# Altium PCB AUV4.5-2 Lights Control Board.PcbDoc (part 1 of 2) (continued)
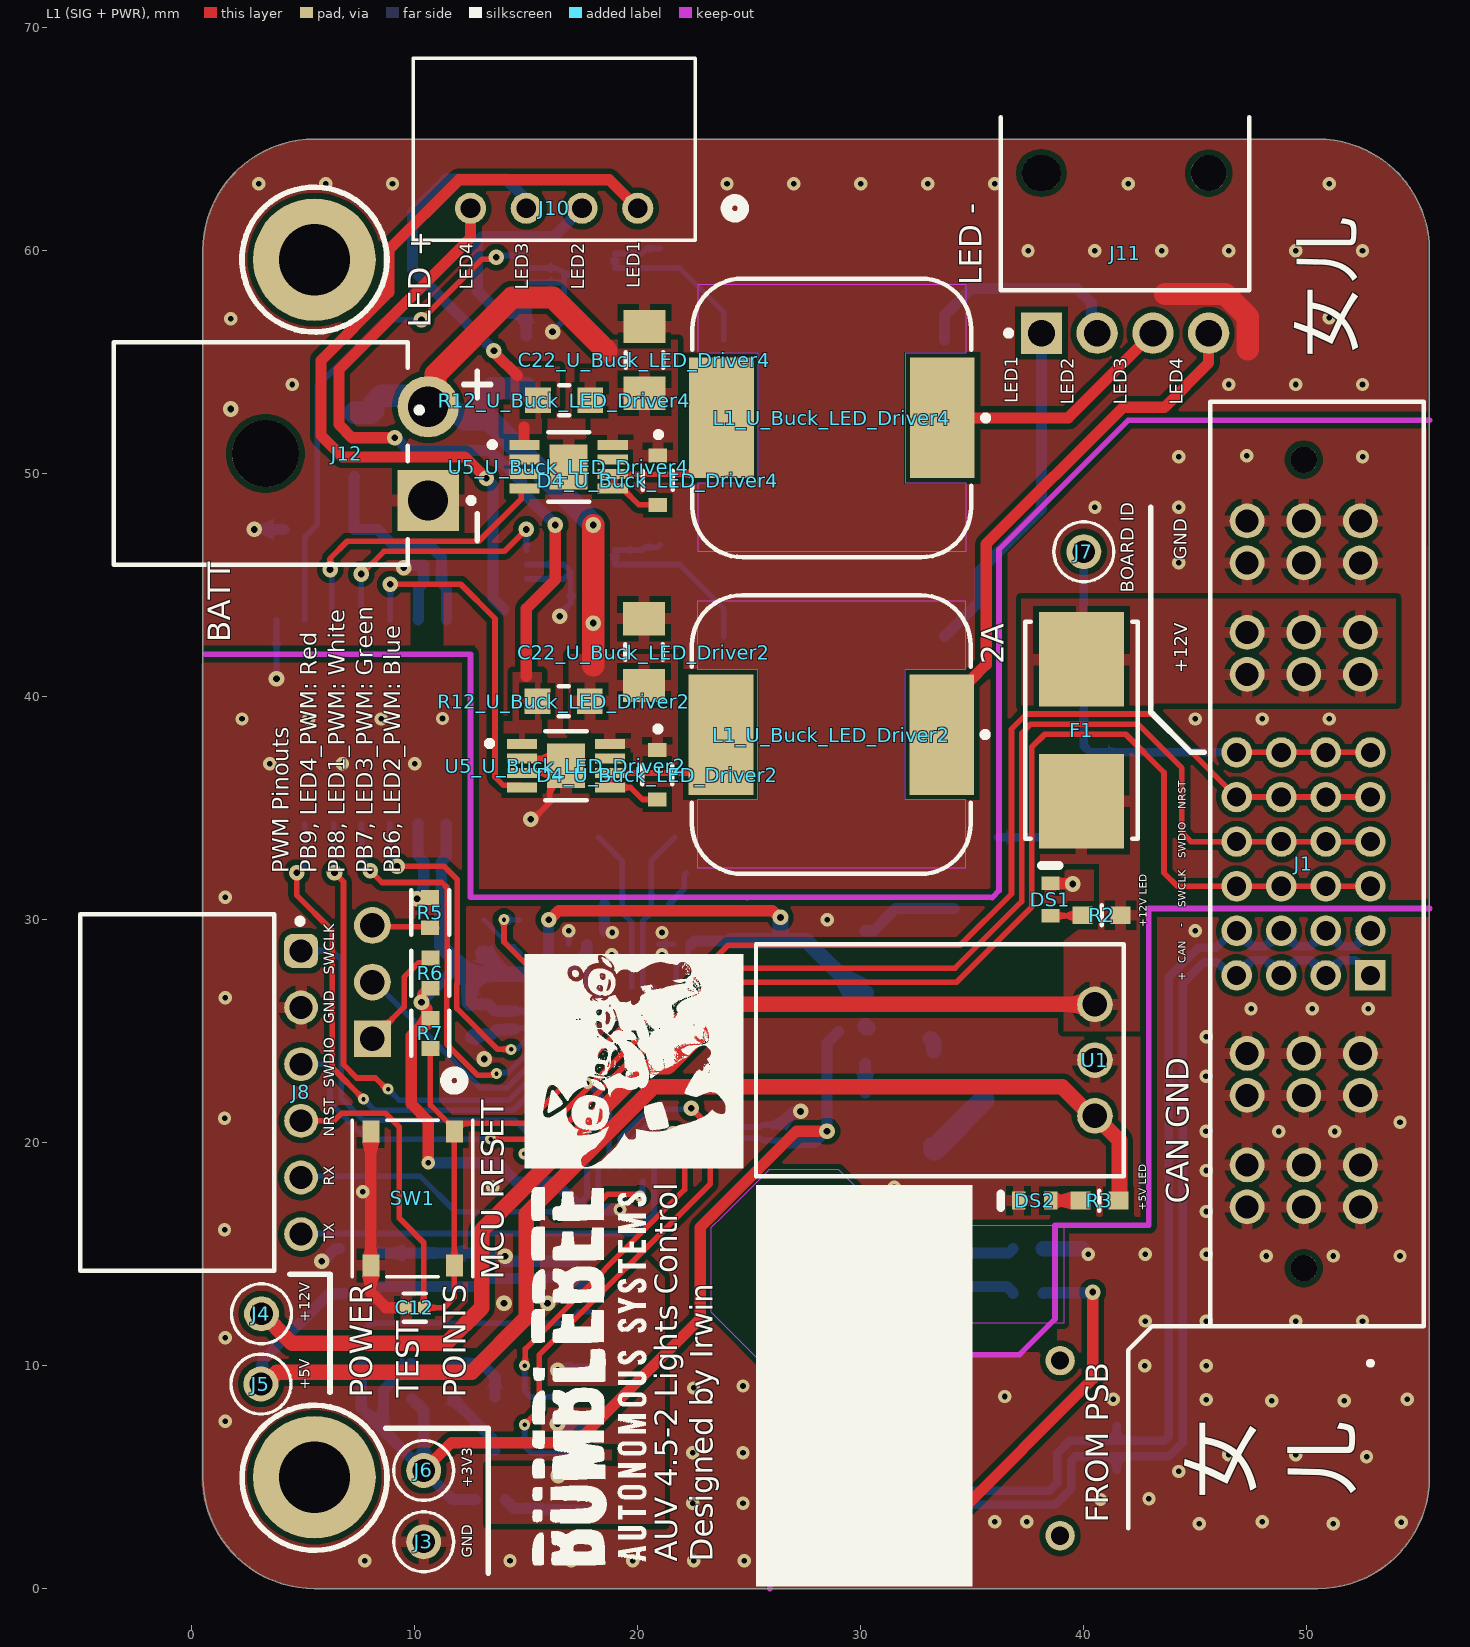
[diagram p0: L1 (SIG + PWR) view]
## Design rules (kind name [scope] priority, off if disabled: settings) (continued)
SupplyNets "Schematic Supply Nets_13" [InNet('+12V')] p3: voltage=0.000
SupplyNets "Schematic Supply Nets_12" [InNet('GND_UN-ISO')] p4: voltage=0.000
SupplyNets "Schematic Supply Nets_10" [InNet('+5V')] p5: voltage=0.000
SupplyNets "Schematic Supply Nets_9" [InNet('+14.8V_UN-ISO')] p6: voltage=0.000
SupplyNets "Schematic Supply Nets" [InNet('FB_GND')] p7: voltage=0.000
SupplyNets "Schematic Supply Nets_6" [InNet('CANISO_GND')] p8: voltage=0.000
SupplyNets "Schematic Supply Nets_5" [InNet('+3V3')] p9: voltage=0.000
SupplyNets "Schematic Supply Nets_3" [InNet('GND')] p10: voltage=0.000
UnRoutedNet [All] p1: checkbadconnections=TRUE
Width Width_PWR [InNetClass('Power')] p1: maxlimit=1 minlimit=0.254 preferedwidth=0.5
Width Width_GND [InNetClass('Ground')] p2: maxlimit=1 minlimit=0.254 preferedwidth=0.5
Width [All] p3: maxlimit=0.5 minlimit=0.1 preferedwidth=0.254
20 further rules are at their usual default settings.

## Classes and differential pairs
component class U_Buck_LED_Driver2: C22_U_Buck_LED_Driver2 D4_U_Buck_LED_Driver2 L1_U_Buck_LED_Driver2 R12_U_Buck_LED_Driver2 U5_U_Buck_LED_Driver2
component class U_Buck_LED_Driver4: C22_U_Buck_LED_Driver4 D4_U_Buck_LED_Driver4 L1_U_Buck_LED_Driver4 R12_U_Buck_LED_Driver4 U5_U_Buck_LED_Driver4
net class Ground: CANISO_GND FB_GND GND GND_UN-ISO NetC19_2
net class Power: +3V3 +5.1V_UN-ISO +5V +12V +12V_IN +14.8V_UN-ISO CANISO_+5V
component class "U_Digital Isolator": C23 C24 D5 R13 U6
component class "U_VIN to 5V to 3V3": C1 C2 U1 U2
channel class "Buck LED Driver": U_Buck_LED_Driver1 U_Buck_LED_Driver2 U_Buck_LED_Driver3 U_Buck_LED_Driver4
component class U_STM32F103C8T6: C3 C4 C5 C6 C7 C8 C9 C10 C11 C12 D1 D2 D3 J8 J9 R5 R6 R7 R8 R9 R10 SW1 U3 XTAL1
component class U_CAN: C13 C14 C15 C16 C17 C18 C19 C20 C21 FB1 FB2 FB3 FB4 FB5 R11 U4
component class U_Buck_LED_Driver3: C22_U_Buck_LED_Driver3 D4_U_Buck_LED_Driver3 L1_U_Buck_LED_Driver3 R12_U_Buck_LED_Driver3 U5_U_Buck_LED_Driver3
component class U_Buck_LED_Driver1: C22_U_Buck_LED_Driver1 D4_U_Buck_LED_Driver1 L1_U_Buck_LED_Driver1 R12_U_Buck_LED_Driver1 U5_U_Buck_LED_Driver1
component class "Lights Control": DS1 DS2 DS3 F1 J1 J2 J3 J4 J5 J6 J7 J10 J11 J12 R1 R2 R3 R4 VR1
differential pair CAN: +CAN_P -CAN_N

## Components (designator, comment, footprint, x,y, rotation, side; value= is the part's Value field where it differs from the comment)
C1 "10u, 1210" CAPC3216X180N 35.54,30.5 r0 bottom
C2 "10u, 1210" CAPC3216X180N 30.2,28.14 r270 bottom
C3 "4.7u, 0603" FP-CC0603-DA-MFG 12.5,25.5 r90 bottom value="47 nF"
C4 "100n, 0402" FP-C0402-BB-MFG 17.3,28.9 r0 bottom value="0.10 μF"
C5 "100n, 0402" FP-C0402-BB-MFG 26.4,20.4 r270 bottom value="0.10 μF"
C6 "100n, 0402" FP-C0402-BB-MFG 17.9,17 r180 bottom value="0.10 μF"
C7 "100n, 0402" FP-C0402-BB-MFG 14.5,25.5 r90 bottom value="0.10 μF"
C8 "100n, 0402" FP-C0402-BB-MFG 22,28.9 r0 bottom value="0.10 μF"
C9 "1u, 0603" FP-CC0603-DA-MFG 24.2,29.8 r270 bottom value="1 uF"
C10 "20pF, 0402" FP-C0402-BB-MFG 18.9,30.7 r0 bottom value="20 pF"
C11 "20pF, 0402" FP-C0402-BB-MFG 21,30.7 r180 bottom value="20 pF"
C12 "100n, 0402" FP-C0402-BB-MFG 10,12.6 r0 top value="0.10 μF"
C13 "100n, 0402" FP-C0402-BB-MFG 15.7,4 r90 bottom locked value="0.10 μF"
C14 "100n, 0402" FP-C0402-BB-MFG 31.9,2.75 r270 bottom locked value="0.10 μF"
C15 "10u, 0603" FP-CC0603-DB-MFG 29.9,2.75 r270 bottom locked
C16 "10u, 0603" FP-CC0603-DB-MFG 10,14.3 r90 bottom locked
C17 "1u, 0603" FP-CC0603-DA-MFG 12.7,14.3 r90 bottom locked value="1 uF"
C18 "10n, 0402" FP-CL165-IPC_C 15.7,14.3 r90 bottom locked
C19 "10n, 0402" FP-CL165-IPC_C 29.8,14.3 r90 bottom locked
C20 "1u, 0603" FP-CC0603-DA-MFG 32.8,14.3 r90 bottom locked value="1 uF"
C21 "10u, 0603" FP-CC0603-DB-MFG 35,14.3 r90 bottom locked
C22_U_Buck_LED_Driver1 "10u, 1206" KEMT-1206-2_M 18.9,54.9 r180 bottom (schematic designator C22)
C22_U_Buck_LED_Driver2 "10u, 1206" KEMT-1206-2_M 20.277,42 r270 top (schematic designator C22)
C22_U_Buck_LED_Driver3 "10u, 1206" KEMT-1206-2_M 18.9,41.6 r180 bottom (schematic designator C22)
C22_U_Buck_LED_Driver4 "10u, 1206" KEMT-1206-2_M 20.3,55.1 r270 top (schematic designator C22)
C23 "100n, 0402" FP-C0402-BB-MFG 10.8,31.9 r0 bottom value="0.10 μF"
C24 "100n, 0402" FP-C0402-BB-MFG 10.8,45.9 r0 bottom value="0.10 μF"
D1 "Purple 0603" XL-1608UVC-04-Footprint-1 14,30 r180 bottom
D2 "Green 0603" FP-150060VS75000-MFG 14.4,6.2 r180 bottom
D3 "Blue 0603" FP-150060BS75000-MFG 14.4,8.6 r180 bottom
D4_U_Buck_LED_Driver1 "1N5819WS" FP-477-02-MFG 21,59 r90 bottom (schematic designator D4)
D4_U_Buck_LED_Driver2 "1N5819WS" FP-477-02-MFG 20.877,36.5 r270 top (schematic designator D4)
D4_U_Buck_LED_Driver3 "1N5819WS" FP-477-02-MFG 21,45.7 r90 bottom (schematic designator D4)
D4_U_Buck_LED_Driver4 "1N5819WS" FP-477-02-MFG 20.9,49.7 r270 top (schematic designator D4)
D5 "5.1V, 500mW" FP-SOD123-MFG 5.7,47.5 r180 bottom
DS1 "Red 0603" VISH-TLMX1100_V 38.5,30.9 r90 top
DS2 "Orange, 0603" VISH-TLMX1100-2_V 37.8,17.4 r180 top
DS3 "Yellow, 0603" VISH-TLMY1000_V 30.2,21.5 r270 bottom
F1 "0154002.DR" FP-0154-MFG 39.9,38.485 r270 top value=0.0625Ω
FB1 "600@100MHz" FP-BLM18-0_15-t0_8-MFG 13.4,4 r0 bottom locked
FB2 "600@100MHz" FP-BLM18-0_15-t0_8-MFG 7.5,13.25 r0 bottom locked
FB3 "600@100MHz" FP-BLM18-0_15-t0_8-MFG 37.5,13.25 r180 bottom
FB4 "600@100MHz" FP-BLM18-0_15-t0_8-MFG 7.5,15.25 r0 bottom
FB5 "600@100MHz" FP-BLM18-0_15-t0_8-MFG 37.5,15.25 r180 bottom
J1 "MPTC-02-24-02-01-01-L-RA-LC" SAMTEC_MPTC-02-24-02-01-XX-X-RA-LC 49.865,32.5 r90 top locked
J2 "T2M-102-01-L-D-SM-WT" T2M10201LDSMWT 38.935,6.3 r90 bottom locked
J3 "5001" FP-5001-MFG 10.4,2.1 r90 top
J4 "5001" FP-5001-MFG 3.125,12.325 r270 top
J5 "5001" FP-5001-MFG 3.1,9.175 r0 top
J6 "5001" FP-5001-MFG 10.4,5.3 r0 top
J7 "5001" FP-5001-MFG 40,46.5 r0 top
J8 "613006143121" 613006143121 -0.65,22.25 r270 top
J9 "826926-3" HDRV3W63P0X254_1X3_762X250X950P 8.1,24.66 r90 bottom
J10 "22057045" CONN_22057045_MOL 20,61.9 r180 top
J11 "105313-1104" FP-105313-1104-MFG 41.85,63.18 r180 top
J12 "172648-0102" FP-172648-0102-MFG 3.1,50.9 r270 top
L1_U_Buck_LED_Driver1 "33u, 1210" WE-PD_1210 28.8,56 r270 bottom (schematic designator L1)
L1_U_Buck_LED_Driver2 "33u, 1210" WE-PD_1210 28.677,38.3 r90 top (schematic designator L1)
L1_U_Buck_LED_Driver3 "33u, 1210" WE-PD_1210 28.8,42.7 r270 bottom (schematic designator L1)
L1_U_Buck_LED_Driver4 "33u, 1210" WE-PD_1210 28.7,52.5 r90 top (schematic designator L1)
R1 "0, 0603" RESC1608X55X25ML10T15 35.4,33.7 r0 bottom
R2 "3.3k, 0603" FP-RC0603-0_55-MFG 40.8,30.2 r180 top
R3 "3.3k, 0603" FP-RC0603-0_55-MFG 40.7,17.4 r180 top
R4 "3.3k, 0603" FP-RC0603-0_55-MFG 30.2,24.4 r270 bottom
R5 "10k, 0603" FP-RC0603-0_55-IPC_C 10.69,30.32 r270 top
R6 "10k, 0603" FP-RC0603-0_55-IPC_C 10.7,27.6 r270 top
R7 "10k, 0603" FP-RC0603-0_55-IPC_C 10.7,24.9 r270 top
R8 "3.3k, 0603" FP-RC0603-0_55-MFG 13.9,28.5 r0 bottom
R9 "3.3k, 0603" FP-RC0603-0_55-MFG 10.7,8.6 r0 bottom
R10 "3.3k, 0603" FP-RC0603-0_55-MFG 10.7,10.1 r0 bottom
R11 "10k, 0603" FP-RC0603-0_55-IPC_C 7.6,10.9 r90 bottom
R12_U_Buck_LED_Driver1 "0.1, 250mW" FP-ERJ6D-MFG 15,55 r90 bottom (schematic designator R12)
R12_U_Buck_LED_Driver2 "0.1, 250mW" FP-ERJ6D-MFG 16.677,39.8 r180 top (schematic designator R12)
R12_U_Buck_LED_Driver3 "0.1, 250mW" FP-ERJ6D-MFG 15,41.7 r90 bottom (schematic designator R12)
R12_U_Buck_LED_Driver4 "0.1, 250mW" FP-ERJ6D-MFG 16.7,53.3 r180 top (schematic designator R12)
R13 "1k, 1210, 1/2W" RESC3225X70X50NL20T20 7.3,51.3 r270 bottom
SW1 "TS-1187A-B-A-B" TS-1187A-B-A-B_XKB 9.9,17.5 r270 top
U1 "OKI-78SR-5/1.5-W36H-C (RA)" "(RA) MURA-OKI-78SR-3" 40.5,23.7 r90 top
U2 "LD1086DT33TR" TO-252_L 35.5,23.9 r270 bottom
U3 "STM32F103C8T6" STM-LQFP48_L 20.475,22.95 r270 bottom
U4 "ISOW1044BDFMR" SOIC127P1030X355-20N 22.725,9.245 r0 bottom locked
U5_U_Buck_LED_Driver1 "AL8860MP-13" FP-MSOP-8EP-MFG 17,58.9 r0 bottom (schematic designator U5)
U5_U_Buck_LED_Driver2 "AL8860MP-13" FP-MSOP-8EP-MFG 16.777,36.9 r0 top (schematic designator U5)
U5_U_Buck_LED_Driver3 "AL8860MP-13" FP-MSOP-8EP-MFG 17,45.6 r0 bottom (schematic designator U5)
U5_U_Buck_LED_Driver4 "AL8860MP-13" FP-MSOP-8EP-MFG 16.9,50.3 r0 top (schematic designator U5)
U6 "ADUM1410ARWZ" ADI-RW-16_N 6.975,38.875 r90 bottom
VR1 "3314J-1-104E" TRIM_3314J-1-104E 40.1,35.7 r180 bottom
XTAL1 "8MHz 20pF SMD5032" XTAL_MSB2GI_YXC 19.95,33.7 r0 bottom

## Footprints (in the part's own frame and the unit in brackets; to place one, negate y for a bottom-side part, rotate by r counter-clockwise, add the part's x,y. Pads: shape width x height; smd on the part's side, far side on the other; paste and mask are expansions set on the pad)
613006143121 [mm] "Socket Header, Pitch 2.54 mm, THT, Angled, single row, 6p"
  rrect50% 1.52x1.52 hole 1.02: 1(-6.35,5.55)
  round 1.52 hole 1.02: 2(-3.81,5.55) 3(-1.27,5.55) 4(1.27,5.55) 5(3.81,5.55) 6(6.35,5.55)
  silkscreen extent -8,-4.35 8,5.63, body extent -7.87,-4.25 7.87,5.75, height 2.55
"(RA) MURA-OKI-78SR-3" [mm] "THMT, 3-Leads, Body 10.4x7.6mm"
  round 1.6 hole 1.1: 1(2.5,0) 2(0,0) 3(-2.5,0)
  silkscreen extent -5.2,-1.3 5.2,15.2, body extent -5.21,-1.3 5.21,15.21, height 8.73
ADI-RW-16_N [mm] "SOIC, 16-Leads, Body 10.3x7.5mm, Pitch 1.27mm, IPC Medium Density"
  oval 2.3x0.6 smd: 1(-4.575,4.445) 2(-4.575,3.175) 3(-4.575,1.905) 4(-4.575,0.635) 5(-4.575,-0.635) 6(-4.575,-1.905) 7(-4.575,-3.175) 8(-4.575,-4.445) 9(4.575,-4.445) 10(4.575,-3.175) 11(4.575,-1.905) 12(4.575,-0.635) 13(4.575,0.635) 14(4.575,1.905) 15(4.575,3.175) 16(4.575,4.445)
  silkscreen extent -4.7,-5.25 3.03,5.42, body extent -3.8,-5.25 3.8,5.25, height 2.65
CAPC3216X180N [mm]
  rect 1.1x1.82 smd: 1(-1.36,0) 2(1.36,0)
  silkscreen extent 0,-0.7 0,0.7, body extent -1.6,-0.8 1.6,0.8, height 1.8
CONN_22057045_MOL [mil]
  round 55 / inner round 60 / far side round 55 hole 35 paste-99999 mask+0: 1(0,0) 2(98.43,0) 3(196.85,0) 4(295.28,0)
  silkscreen extent -186,-265 397,56, body extent -94,-260 394,51, height 194
FP-0154-MFG [mm]
  rect 4.24x3.81 smd paste+0 mask+0: 1(-3.185,0) 2(3.185,0)
  silkscreen extent -4.86,-2.51 4.86,2.51, body extent -5.41,-2.62 5.41,2.62, height 0.25
FP-477-02-MFG [mm]
  rect 0.63x0.83 smd paste+0 mask+0: 1(-1.115,0) 2(1.115,0)
  silkscreen extent -2.17,-0.67 0.43,0.67, body extent -1.25,-0.63 1.25,0.63, height 1.1
FP-5001-MFG [mm]
  round 1.57 hole 1.016 paste-2539.97 mask+0: 1(0,0)
  silkscreen extent -1.34,-1.35 1.34,1.35, body extent -1.45,-1.45 1.45,1.45, height 0.25
FP-105313-1104-MFG [mm]
  rect 1.85x1.85 hole 1.2 paste-2539.97 mask+0: 1(3.75,6.88)
  round 1.85 hole 1.2 paste-2539.97 mask+0: 2(1.25,6.88) 3(-1.25,6.88) 4(-3.75,6.88)
  round 1.6 hole 1.6 unplated paste-2539.97 mask+0: ""(-3.75,-0.3)
  rrect100% 1.75x1.6 hole 1.6 slot 1.75 at 0 deg unplated paste-2539.97 mask+0: ""(3.75,-0.3)
  silkscreen extent -5.57,-2.8 5.57,7, body extent -5.47,-4.96 5.47,7.2, height 6.84
FP-150060BS75000-MFG [mm]
  rect 0.8x0.8 smd paste+0 mask+0: 1(-0.8,0) 2(0.8,0)
  silkscreen extent -1.92,-0.77 0.8,0.77, body extent -0.8,-0.4 0.8,0.4, height 0.8
FP-150060VS75000-MFG [mm]
  rect 0.8x0.8 smd paste+0 mask+0: 1(-0.8,0) 2(0.8,0)
  silkscreen extent -1.9,-0.83 0.85,0.82, body extent -0.8,-0.4 0.8,0.4, height 0.8
FP-172648-0102-MFG [mm]
  rect 2.75x2.75 hole 1.8 paste-2539.97 mask+0: 1(2.1,7.5)
  round 2.75 hole 1.8 paste-2539.97 mask+0: 2(-2.1,7.5)
  round 3 hole 3 unplated paste-2539.97 mask+0: ""(0,0.2)
  silkscreen extent -4.99,-6.59 4.99,9.55, body extent -4.8,-6.4 4.8,8, height 7.2
FP-BLM18-0_15-t0_8-MFG [mm]
  rect 0.65x0.7 smd paste+0 mask+0: 1(-0.675,0) 2(0.675,0)
  silkscreen extent -0.87,-0.72 0.87,0.72, body extent -0.8,-0.4 0.8,0.4, height 0.95
FP-C0402-BB-MFG [mm]
  rect 0.52x0.52 smd paste+0 mask+0: 1(-0.4,0) 2(0.4,0)
  silkscreen extent -0.5,-0.64 0.5,0.64, body extent -0.5,-0.25 0.5,0.25, height 0.55
FP-CC0603-DA-MFG [mm]
  rect 0.8x0.9 smd paste+0 mask+0: 1(-0.75,0) 2(0.75,0)
  silkscreen extent -0.85,-0.85 0.85,0.85, body extent -0.8,-0.4 0.8,0.4, height 0.9
FP-CC0603-DB-MFG [mm]
  rect 0.8x0.9 smd paste+0 mask+0: 1(-0.75,0) 2(0.75,0)
  silkscreen extent -0.85,-0.85 0.85,0.85, body extent -0.8,-0.4 0.8,0.4, height 0.95
FP-CL165-IPC_C [mm]
  rect 0.515x0.472 smd paste+0 mask+0: 1(-0.379,0) 2(0.379,0)
  silkscreen extent -0.64,-0.67 0.64,0.67, body extent -0.5,-0.25 0.5,0.25, height 0.55
FP-ERJ6D-MFG [mm]
  rect 1.15x1.15 smd paste+0 mask+0: 1(-1.175,0) 2(1.175,0)
  silkscreen extent -0.23,-0.67 0.23,0.67, body extent -1,-0.63 1,0.63, height 0.7
FP-MSOP-8EP-MFG [mm]
  rect 1.35x0.45 smd paste+0 mask+0: 1(-1.975,0.975) 2(-1.975,0.325) 3(-1.975,-0.325) 4(-1.975,-0.975) 5(1.975,-0.975) 6(1.975,-0.325) 7(1.975,0.325) 8(1.975,0.975)
  rect 1.7x2 smd paste+0 mask+0: 9(0,0)
  silkscreen extent -3.55,-1.55 0.93,1.55, body extent -2.45,-1.5 2.45,1.5, height 1.1
FP-RC0603-0_55-IPC_C [mm]
  rect 0.659x0.812 smd paste+0 mask+0: 1(-0.677,0) 2(0.677,0)
  silkscreen extent -1.01,-0.85 1.01,0.85, body extent -0.8,-0.4 0.8,0.4, height 0.55
FP-RC0603-0_55-MFG [mm]
  rect 0.9x0.8 smd paste+0 mask+0: 1(-0.85,0) 2(0.85,0)
  silkscreen extent 0,-0.45 0,0.45, body extent -1.4,-0.55 1.4,0.55, height 0.25
FP-SOD123-MFG [mm]
  rect 0.9x0.95 smd paste+0 mask+0: 1(-1.575,0) 2(1.575,0)
  silkscreen extent -2.83,-0.85 0.75,0.85, body extent -1.83,-0.77 1.83,0.77, height 1.45
HDRV3W63P0X254_1X3_762X250X950P [mm]
  rect 1.65x1.65 / inner round 1.65 / far side rect 1.65x1.65 hole 1.1: 1(0,0)
  round 1.65 hole 1.1: 2(2.54,0) 3(5.08,0)
  silkscreen extent -1.52,-1.25 6.6,1.25
KEMT-1206-2_M [mm] "SMD, 2-Leads, Body 3.4x1.8mm, IPC Low Density"
  rect 1.5x1.9 smd: 1(-1.5,0) 2(1.5,0)
  silkscreen extent -0.35,-0.85 0.35,0.85, body extent -1.7,-0.9 1.7,0.9, height 0.88
RESC1608X55X25ML10T15 [mm] "Chip Resistor, 2-Leads, Body 1.60x0.80mm, IPC Low Density"
  rect 0.8x1 smd: 1(-0.75,0) 2(0.75,0)
  body extent -0.85,-0.45 0.85,0.45, height 0.55
RESC3225X70X50NL20T20 [mm] "Chip Resistor, 2-Leads, Body 3.20x2.50mm, IPC Medium Density"
  rect 1.25x2.7 smd: 1(-1.425,0) 2(1.425,0)
  silkscreen extent -0.4,-1.25 0.4,1.25, body extent -1.7,-1.35 1.7,1.35, height 0.7
SAMTEC_MPTC-02-24-02-01-XX-X-RA-LC [mm]
  rect 1.368x1.368 / inner round 1.368 / far side rect 1.368x1.368 hole 0.86: A01(-5,-2.99)
  round 1.368 hole 0.86: A02(-3,-2.99) A03(-1,-2.99) A04(1,-2.99) A05(3,-2.99) A06(5,-2.99) B01(-5,-0.99) B02(-3,-0.99) B03(-1,-0.99) B04(1,-0.99) B05(3,-0.99) B06(5,-0.99) C01(-5,1.01) C02(-3,1.01) C03(-1,1.01) C04(1,1.01) C05(3,1.01) C06(5,1.01) D01(-5,3.01) D02(-3,3.01) D03(-1,3.01) D04(1,3.01) D05(3,3.01) D06(5,3.01)
  round 1.56 hole 1.04: P01_1(-15.38,2.54) P01_2(-13.5,2.54) P01_3(-15.38,0) P01_4(-13.5,0) P01_5(-15.38,-2.54) P01_6(-13.5,-2.54) P02_1(-10.38,2.54) P02_2(-8.5,2.54) P02_3(-10.38,0) P02_4(-8.5,0) P02_5(-10.38,-2.54) P02_6(-8.5,-2.54) P03_1(8.5,2.54) P03_2(10.38,2.54) P03_3(8.5,0) P03_4(10.38,0) P03_5(8.5,-2.54) P03_6(10.38,-2.54) P04_1(13.5,2.54) P04_2(15.38,2.54) P04_3(13.5,0) P04_4(15.38,0) P04_5(13.5,-2.54) P04_6(15.38,-2.54)
  round 1.19 hole 1.19 unplated: ""(-18.13,0) ""(18.13,0)
  silkscreen extent -22.49,-5.38 20.73,4.19, body extent -21.72,-11.54 21.72,4.16, height 11.22
SOIC127P1030X355-20N [mm]
  rect 1.9x0.65 smd: 1(-4.725,5.715) 2(-4.725,4.445) 3(-4.725,3.175) 4(-4.725,1.905) 5(-4.725,0.635) 6(-4.725,-0.635) 7(-4.725,-1.905) 8(-4.725,-3.175) 9(-4.725,-4.445) 10(-4.725,-5.715) 11(4.725,-5.715) 12(4.725,-4.445) 13(4.725,-3.175) 14(4.725,-1.905) 15(4.725,-0.635) 16(4.725,0.635) 17(4.725,1.905) 18(4.725,3.175) 19(4.725,4.445) 20(4.725,5.715)
  silkscreen extent -5.68,-6.42 3.42,6.42, body extent -5.15,-6.42 5.15,6.42, height 3.55
STM-LQFP48_L [mm] "QFP, 48-Leads, Body 7x7mm, Pitch 0.5mm, IPC High Density"
  oval 1.55x0.25 smd: 1(-4.025,2.75) 2(-4.025,2.25) 3(-4.025,1.75) 4(-4.025,1.25) 5(-4.025,0.75) 6(-4.025,0.25) 7(-4.025,-0.25) 8(-4.025,-0.75) 9(-4.025,-1.25) 10(-4.025,-1.75) 11(-4.025,-2.25) 12(-4.025,-2.75) 25(4.025,-2.75) 26(4.025,-2.25) 27(4.025,-1.75) 28(4.025,-1.25) 29(4.025,-0.75) 30(4.025,-0.25) 31(4.025,0.25) 32(4.025,0.75) 33(4.025,1.25) 34(4.025,1.75) 35(4.025,2.25) 36(4.025,2.75)
  oval 0.25x1.55 smd: 13(-2.75,-4.025) 14(-2.25,-4.025) 15(-1.75,-4.025) 16(-1.25,-4.025) 17(-0.75,-4.025) 18(-0.25,-4.025) 19(0.25,-4.025) 20(0.75,-4.025) 21(1.25,-4.025) 22(1.75,-4.025) 23(2.25,-4.025) 24(2.75,-4.025) 37(2.75,4.025) 38(2.25,4.025) 39(1.75,4.025) 40(1.25,4.025) 41(0.75,4.025) 42(0.25,4.025) 43(-0.25,4.025) 44(-0.75,4.025) 45(-1.25,4.025) 46(-1.75,4.025) 47(-2.25,4.025) 48(-2.75,4.025)
  silkscreen extent -4.15,-2.85 2.85,3.55, body extent -3.5,-3.5 3.5,3.5, height 1.6
T2M10201LDSMWT [mm]
  rect 1.02x3.8 smd: 1(-1,-2.535) 2(-1,2.535) 3(1,-2.535) 4(1,2.535)
  round 1.321 hole 0.813: MH1(-3.925,0) MH2(3.925,0)
  silkscreen extent -4.84,-5 4.84,3.44, body extent -4.84,-4.31 4.84,4.31, height 6.49
TO-252_L [mm] "D-PAK, 4-Leads, Body 6.1x6.5mm, Pitch 2.28mm, Lead Span 9.7mm, IPC High Density"
  rect 1.8x0.9 smd: 1(-4.2,2.28) 3(-4.2,-2.28)
  rect 6.2x5.45 smd: 4(2,0)
  silkscreen extent -4.32,-3.3 -1.5,3.4, body extent -4.86,-3.25 4.86,3.25, height 2.4
TRIM_3314J-1-104E [mm]
  rect 1.3x2 smd: 1(1.15,-2) 3(-1.15,-2)
  rect 2x2 smd: 2(0,2)
  silkscreen extent -2.25,-3.65 2.25,2.25, body extent -2.5,-2.5 2.5,2.5, height 2.71
TS-1187A-B-A-B_XKB [mm]
  rect 0.991x0.762 smd paste+0 mask+0: 1(-3,1.875) 2(3,1.875) 3(-3,-1.875) 4(3,-1.875)
  silkscreen extent -5.66,-2.71 3.51,2.71, body extent -3.25,-2.55 3.25,2.55, height 1.4
VISH-TLMX1100-2_V [mm] "SMD, 2-Leads, Body 1.6x0.8mm"
  rect 0.6x0.8 smd: 1(-0.725,0) 2(0.725,0)
  silkscreen extent 1.53,-0.3 1.53,0.3, body extent -0.8,-0.4 0.8,0.4, height 0.65
VISH-TLMX1100_V [mm] "SMD, 2-Leads, Body 1.6x0.8mm"
  rect 0.6x0.8 smd: 1(-0.725,0) 2(0.725,0)
  silkscreen extent 1.53,-0.4 1.53,0.4, body extent -0.8,-0.4 0.8,0.4, height 0.65
VISH-TLMY1000_V [mm] "SMD, 2-Leads, Body 1.6x0.8mm"
  rect 0.6x0.8 smd: 1(-0.725,0) 2(0.725,0)
  silkscreen extent 1.53,-0.4 1.53,0.4, body extent -0.8,-0.4 0.8,0.4, height 0.65
WE-PD_1210 [mm] "SMT Shielded Power Inductor, 2-leads, body 12x12mm"
  rect 5.4x2.9 smd: 1(0,-4.95) 2(0,4.95)
  L1 (SIG + PWR) keep-out region: -6,6 -2.9,6 -2.9,3.3 2.9,3.3 2.9,6 6,6 6,-6 2.9,-6 2.9,-3.3 -2.9,-3.3 -2.9,-6 -6,-6
  silkscreen extent -6.25,-7.02 6.25,6.25, body extent -6,-6 6,6, height 9.46
XL-1608UVC-04-Footprint-1 [mm]
  rect 0.8x0.75 smd paste+0 mask+0: 1(-0.673,0) 2(0.927,0)
  silkscreen extent -1.77,-0.45 0.13,0.45, body extent -0.67,-0.4 0.93,0.4, height 0.5
XTAL_MSB2GI_YXC [mil]
  rect 80x79 smd paste+0 mask+0: 1(-67.5,0) 2(67.5,0)
  silkscreen extent -106,-71 106,71, body extent -101,-66 101,66, height 55

## Part data
C1 C2: library part CMP-061-000000-2, "Capacitor", Manufacturer_Name="Wurth Elektronik", Manufacturer_Part_Number=885012208069, Mouser Part Number=710-885012208069, Datasheet Link=https://katalog.we-online.com/pbs/datasheet/885012208069.pdf, Design Item ID=885012208069, Height=1.8mm, Mouser Price/Stock=https://www.mouser.co.uk/ProductDetail/Wurth-Elektronik/885012208069?qs=0KOYDY2FL2%2FiIl0oJPR7BQ%3D%3D, Source=SamacSys.SchLib
C3: library part CMP-2100-03604-2, "CAP CER 0.047UF 50V X7R 0603", Capacitance="47 nF", Manufacturer=YAGEO, Manufacturer Part Number=CC0603KRX7R9BB473, Package=CC0603-DA, Temperature="-55°C to +125°C", Temperature Characteristic=X7R, Temperature Coefficient=15%, Temperature Range High=+125°C, Temperature Range Low=-55°C, Tolerance=0.1, Voltage="50 V", Automotive=No, Category=Cap, ComponentLink2Description=Datasheet, ComponentLink2URL=http://www.yageo.com/documents/recent/UPY-GPHC_X7R_6.3V-to-50V_18.pdf, Device Class L1="Passive Components", Device Class L2=Capacitors, Device Class L3="Ceramic Capacitors", Digikey Description="CAP CER 0.047UF 50V X7R 0603", Footprint Url=http://www.yageo.com/exep/pages/download/literatures/UPY-C_GEN_24.pdf, Height=0.9mm, Lead Free=Yes, Material=Ceramic, Mouser Description="Multilayer Ceramic Capacitors MLCC - SMD/SMT .047UF 50V 10% 0603", Octopart=https://octopart.com/cc0603krx7r9bb473-yageo-9292680, RoHS=TRUE, Voltage Rating="50 V"
C4 C5 C6 C7 C8 C12 C13 C14 C23 C24: library part CMP-2008-02046-2, "CAP CER 0.1UF 10V X5R 0402", Capacitance="0.10 μF", Manufacturer=Kemet, Manufacturer Part Number=C0402C104K8PACTU, Package=C0402-BB, Temperature="-55°C to +125°C", Temperature Characteristic=X5R, Temperature Coefficient=15%, Temperature Range High=+125°C, Temperature Range Low=-55°C, Tolerance=0.1, Voltage Rating="10 V", Automotive=No, Category=Cap, ComponentLink2Description=Datasheet, ComponentLink2URL=https://content.kemet.com/datasheets/KEM_C1002_X7R_SMD.pdf, Device Class L1="Passive Components", Device Class L2=Capacitors, Device Class L3="Ceramic Capacitors", Digikey Description="CAP CER 0.1UF 10V X5R 0402", Height=0.55mm, Ipc Land Pattern Name=CAPC10050X50, Lead Free=Yes, Material=Ceramic, Mouser Description="Capacitor 100 nF 10 VDC 0402", Octopart=https://octopart.com/c0402c104k8pactu-kemet-140039, RoHS=TRUE
C9 C17 C20: library part CMP-03422-000924-1, "CAP CER 1UF 16V X7R 0603", Capacitance="1 uF", Manufacturer=YAGEO, Manufacturer Part Number=CC0603KRX7R7BB105, Package=CC0603-DA, Temperature="-55°C to +125°C", Temperature Characteristic=X7R, Temperature Coefficient=15%, Temperature Range High=+125°C, Temperature Range Low=-55°C, Tolerance=0.1, Voltage="16 V", Automotive=No, Category=Cap, ComponentLink2Description=Datasheet, ComponentLink2URL=http://www.yageo.com/documents/recent/UPY-GPHC_X7R_6.3V-to-50V_18.pdf, Device Class L1="Passive Components", Device Class L2=Capacitors, Device Class L3="Ceramic Capacitors", Digikey Description="CAP CER 1UF 16V X7R 0603", Footprint Url=http://www.yageo.com/exep/pages/download/literatures/UPY-C_GEN_24.pdf, Height=0.9mm, Lead Free=Yes, Material=Ceramic, Mouser Description="Multilayer Ceramic Capacitor, CC Series, 1 - F, - 10%, X7R, 16 V, 0603 [1608 Metric]", Octopart=https://octopart.com/cc0603krx7r7bb105-yageo-42271928, RoHS=TRUE, Voltage Rating="16 V"